# Altium PCB nixi_tube.PcbDoc (part 3 of 3)
Units mm, origin at the board's own origin, x right, y up, seen from the top; angles counter-clockwise.
Board outline 147 x 65 mm, 2 copper layers (Top Layer, Bottom Layer), stack 1.569 mm thick; 87 components, 111 nets, 363 pads, 194 vias.
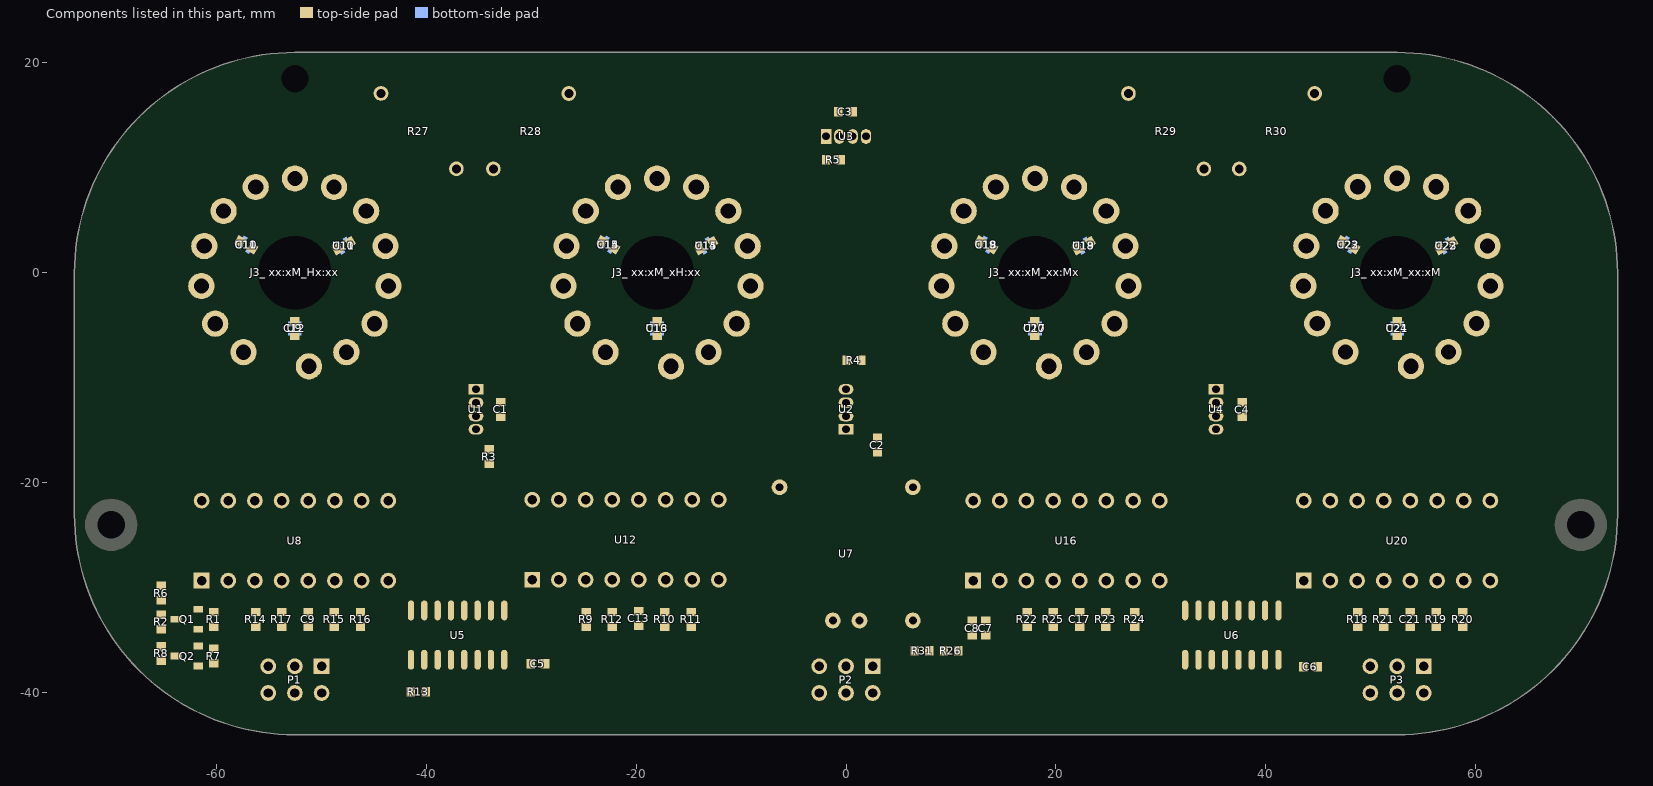
[diagram p3: the components of this part, seen from the top]

## Silkscreen, mask and mechanical layers (free items; w line width, h text height) (continued)
Bottom Solder:
  circle w0.2: c58.648,-35.026 r0.25
  circle w0.2: c58.948,-36.53 r0.25
  circle w0.2: c58.648,-38.028 r0.25
  lines w0.25: 58.948,-38.028 59.648,-38.028 ; 58.948,-35.026 59.648,-35.026 ; 59.248,-36.53 59.948,-36.53 ; 60.348,-36.83 60.348,-36.23 ; 60.748,-36.83 60.748,-36.23 ; 59.648,-38.826 60.987,-38.826 60.987,-37.23 59.648,-37.23 59.648,-38.826 ; 59.648,-35.823 60.987,-35.823 60.987,-34.228 59.648,-34.228 59.648,-35.823 ; 61.848,-38.826 61.848,-34.228 62.048,-34.228 62.048,-38.826 61.848,-38.826
  text "D" at 60.987,-35.823 h0.8
  text "B" at 60.987,-38.826 h0.8
Outline:
  the board outline again, w0.15
Drawing:
  circle w0.15: c35.25,-13.015 r3.102
  circle w0.15: c0,13 r3
  circle w0.15: c0,-13 r3
  circle w0.15: c-35.255,-12.993 r3
  circle w0.15: c-52.5,0 r15
  circle w0.15: c-18,0 r15
  circle w0.15: c18,0 r15
  circle w0.15: c52.5,0 r15
  lines w0.1: -35.255,-16.602 -35.255,-8.825 ; -35.255,-12.993 -29.904,-12.993 ; -5.352,-13 0,-13 5.352,-13 ; -5.352,13 -5.352,13 0,13 5.352,13 ; 0,-16.609 0,-8.832 ; 0,9.391 0,17.168 ; 29.898,-13.015 35.25,-13.015 40.602,-13.015 ; 35.25,-16.624 35.25,-8.847
  lines w0.15: -84.335,0 0,0 ; -52.5,0 -52.5,26.866 ; -18,0 -18,25.07 ; 18,0 18,25.07 ; 52.5,0 52.5,25.07 ; 84.335,0 0,0 ; 112.236,0 0,0
  text "'.Layer_Name'" at 133.636,-178.378 h5
Assembly Top:
  text "'.Layer_Name'" at 133.636,-178.258 h5
Assembly Bottom:
  text "'.Layer_Name'" at -126.55,-178.666 h5
Note Top:
  text "'.Layer_Name'" at 133.636,-178.258 h5
Note Bottom:
  text "'.Layer_Name'" at -126.55,-178.499 h5
PCB_Note:
  drawing of 144 lines, arcs and shapes, not listed
  text "REV:" at 152.25,96.25 h0.8
  text "DWG. NO." at 127.689,96.171 h0.8
  text "1" at -189.713,95.787 h1.2
  text "2" at -162.713,95.787 h1.2
  text "3" at -137.713,95.787 h1.2
  text "4" at -112.713,95.787 h1.2
  text "5" at -87.713,95.787 h1.2
  text "6" at -62.713,95.787 h1.2
  text "7" at -37.713,95.787 h1.2
  text "8" at -10.713,95.787 h1.2
  text "9" at 18.287,95.787 h1.2
  text "10" at 43.287,95.787 h1.2
  text "11" at 68.287,95.787 h1.2
  text "13" at 118.287,95.787 h1.2
  text "15" at 168.287,95.787 h1.2
  text "16" at 198.287,95.787 h1.2
  text ".prj_pcb" at 152.5,94.75 h1.27
  text ".PCB_DWG_NO" at 131,94.5 h1.27
  text "T" at -200.695,92.161 h1.5
  text "H" at -199.594,92.161 h1.5
  text "I" at -198.324,92.161 h1.5
  text "S" at -197.816,92.161 h1.5
  text "D" at -196.164,92.161 h1.5
  text "O" at -194.894,92.161 h1.5
  text "C" at -193.497,92.161 h1.5
  text "U" at -192.226,92.161 h1.5
  text "M" at -190.956,92.161 h1.5
  text "E" at -189.474,92.161 h1.5
  text "N" at -188.288,92.161 h1.5
  text "T" at -187.061,92.161 h1.5
  text "A" at -185.451,92.161 h1.5
  text "N" at -184.266,92.161 h1.5
  text "D" at -182.996,92.161 h1.5
  text "T" at -181.259,92.161 h1.5
  text "H" at -180.158,92.161 h1.5
  text "E" at -178.888,92.161 h1.5
  text "D" at -177.237,92.161 h1.5
  text "A" at -175.966,92.161 h1.5
  text "T" at -174.781,92.161 h1.5
  text "A" at -173.722,92.161 h1.5
  text "D" at -172.028,92.161 h1.5
  text "I" at -170.758,92.161 h1.5
  text "S" at -170.292,92.161 h1.5
  text "C" at -169.107,92.161 h1.5
  text "L" at -167.836,92.161 h1.5
  text "O" at -166.863,92.161 h1.5
  text "S" at -165.465,92.161 h1.5
  text "E" at -164.28,92.161 h1.5
  text "D" at -163.094,92.161 h1.5
  text "H" at -161.358,92.161 h1.5
  text "E" at -160.088,92.161 h1.5
  text "R" at -158.902,92.161 h1.5
  text "E" at -157.674,92.161 h1.5
  text "I" at -156.488,92.161 h1.5
  text "N" at -155.98,92.161 h1.5
  text "O" at -154.244,92.161 h1.5
  text "R" at -152.847,92.161 h1.5
  text "REVISIONS" at 152.187,91.333 h1.5
  text "H" at -200.695,90.129 h1.5
  text "E" at -199.425,90.129 h1.5
  text "R" at -198.239,90.129 h1.5
  text "E" at -196.969,90.129 h1.5
  text "W" at -195.826,90.129 h1.5
  text "I" at -194.09,90.129 h1.5
  text "T" at -193.624,90.129 h1.5
  text "H" at -192.523,90.129 h1.5
  text "I" at -190.787,90.129 h1.5
  text "S" at -190.279,90.129 h1.5
  text "T" at -188.627,90.129 h1.5
  text "H" at -187.526,90.129 h1.5
  text "E" at -186.256,90.129 h1.5
  text "P" at -184.605,90.129 h1.5
  text "R" at -183.419,90.129 h1.5
  text "O" at -182.149,90.129 h1.5
  text "P" at -180.776,90.129 h1.5
  text "E" at -179.59,90.129 h1.5
  text "R" at -178.405,90.129 h1.5
  text "T" at -177.177,90.129 h1.5
  text "Y" at -176.076,90.129 h1.5
  text "O" at -174.424,90.129 h1.5
  text "F" at -173.069,90.129 h1.5
  text "A" at -171.46,90.129 h1.5
  text "L" at -170.275,90.129 h1.5
  text "T" at -169.343,90.129 h1.5
  text "I" at -168.242,90.129 h1.5
  text "U" at -167.734,90.129 h1.5
  text "M" at -166.464,90.129 h1.5
  text "L" at -164.516,90.129 h1.5
  text "I" at -163.542,90.129 h1.5
  text "M" at -163.034,90.129 h1.5
  text "I" at -161.594,90.129 h1.5
  text "T" at -161.086,90.129 h1.5
  text "E" at -159.985,90.129 h1.5
  text "D" at -158.799,90.129 h1.5
  text "A" at -157.063,90.129 h1.5
  text "N" at -155.878,90.129 h1.5
  text "D" at -154.607,90.129 h1.5
  text "M" at -152.829,90.129 h1.5
  text "A" at -151.347,90.129 h1.5
  text "Y" at -150.204,90.129 h1.5
  text "ZONE" at 111.928,88.158 h1.5
  text "REV" at 120.31,88.158 h1.5
  text "DATE" at 181.778,88.158 h1.5
  text "B" at -200.695,88.096 h1.5
  text "E" at -199.51,88.096 h1.5
  text "F" at -197.816,88.096 h1.5
  text "R" at -196.715,88.096 h1.5
  text "E" at -195.445,88.096 h1.5
  text "E" at -194.301,88.096 h1.5
  text "L" at -193.116,88.096 h1.5
  text "Y" at -192.142,88.096 h1.5
  text "D" at -190.448,88.096 h1.5
  text "I" at -189.178,88.096 h1.5
  text "S" at -188.712,88.096 h1.5
  text "T" at -187.526,88.096 h1.5
  text "R" at -186.443,88.096 h1.5
  text "I" at -185.215,88.096 h1.5
  text "B" at -184.707,88.096 h1.5
  text "U" at -183.521,88.096 h1.5
  text "T" at -182.251,88.096 h1.5
  text "E" at -181.15,88.096 h1.5
  text "D" at -179.964,88.096 h1.5
  text "I" at -178.228,88.096 h1.5
  text "N" at -177.72,88.096 h1.5
  text "W" at -176.026,88.096 h1.5
  text "H" at -174.29,88.096 h1.5
  text "O" at -173.062,88.096 h1.5
  text "L" at -171.665,88.096 h1.5
  text "E" at -170.691,88.096 h1.5
  text "." at -169.505,88.096 h1.5
  text "N" at -168.531,88.096 h1.5
  text "O" at -167.261,88.096 h1.5
  text "R" at -165.356,88.096 h1.5
  text "I" at -164.128,88.096 h1.5
  text "G" at -163.62,88.096 h1.5
  text "H" at -162.222,88.096 h1.5
  text "T" at -160.994,88.096 h1.5
  text "S" at -159.893,88.096 h1.5
  text "A" at -158.242,88.096 h1.5
  text "R" at -157.056,88.096 h1.5
  text "E" at -155.786,88.096 h1.5
  text "DESCRIPTION" at 146.091,88.031 h1.5
  text "APPROVED" at 194.605,88.031 h1.5
  text "R" at -200.695,86.064 h1.5
  text "E" at -199.425,86.064 h1.5
  text "S" at -198.239,86.064 h1.5
  text "E" at -197.054,86.064 h1.5
  text "R" at -195.868,86.064 h1.5
  text "V" at -194.598,86.064 h1.5
  text "E" at -193.412,86.064 h1.5
  text "D" at -192.226,86.064 h1.5
  text "O" at -190.49,86.064 h1.5
  text "R" at -189.093,86.064 h1.5
  text "E" at -187.315,86.064 h1.5
  text "X" at -186.129,86.064 h1.5
  text "P" at -184.986,86.064 h1.5
  text "R" at -183.8,86.064 h1.5
  text "E" at -182.53,86.064 h1.5
  text "S" at -181.344,86.064 h1.5
  text "S" at -180.158,86.064 h1.5
  text "O" at -178.507,86.064 h1.5
  text "R" at -177.11,86.064 h1.5
  text "I" at -175.374,86.064 h1.5
  text "M" at -174.866,86.064 h1.5
  text "P" at -173.383,86.064 h1.5
  text "L" at -172.198,86.064 h1.5
  text "I" at -171.266,86.064 h1.5
  text "E" at -170.758,86.064 h1.5
  text "D" at -169.573,86.064 h1.5
  text "W" at -167.879,86.064 h1.5
  text "A" at -166.143,86.064 h1.5
  text "R" at -164.957,86.064 h1.5
  text "A" at -163.687,86.064 h1.5
  text "N" at -162.501,86.064 h1.5
  text "T" at -161.273,86.064 h1.5
  text "E" at -160.172,86.064 h1.5
  text "E" at -158.987,86.064 h1.5
  text "G" at -157.431,86.064 h1.5
  text "I" at -156.033,86.064 h1.5
  text "V" at -155.525,86.064 h1.5
  text "E" at -154.34,86.064 h1.5
  text "N" at -153.154,86.064 h1.5
  text "." at -151.926,86.064 h1.5
  text "A" at 121.072,84.729 h1.5
  text "ORIGINAL" at 147.996,84.729 h1.5
  text "A" at -202.713,74.787 h1.2
  text "A" at 209.287,74.787 h1.2
  text "PCB Build Notes:" at -181,69.3 h3
  text "1. Layers: '.pcb_layer_count' / 2. Base Material: '.pcb_material' / 3. Plating Finish: '.pcb_finish' / 4. Silkscreen Color: .'.pcb_silkscreen_color' / 5. Solder Color: '.pcb_solder_color'" at -179,46 h2.5
  text "B" at -202.713,41.787 h1.2
  text "B" at 209.287,41.787 h1.2
  text "Other Notes:" at -181,38.3 h3
  text "A  Differential Pair 90ohm +/- 10%" at -177.589,33.158 h2.5
  text "B  Single Ended 50ohm +/- 10%" at -177.589,28.842 h2.5
  text "C  Differential Pair 100ohm +/- 10%" at -177.589,24.051 h2.5
  text "C" at -202.713,5.912 h1.2
  text "C" at 209.287,5.912 h1.2
  text "D" at -202.713,-29.963 h1.2
  text "D" at 209.287,-29.963 h1.2
  text "E" at -202.713,-65.838 h1.2
  text "E" at 209.287,-65.838 h1.2
  text "F" at -202.713,-101.713 h1.2
  text "F" at 209.287,-101.713 h1.2
  text "PROJECT" at 98.44,-137.122 h1.2
  text "DATE" at 120.284,-137.122 h1.2
  text ".pcb_organization" at 176.647,-137.196 h1.2
  text "G" at -202.713,-137.588 h1.2
  text "G" at 209.287,-137.588 h1.2
  text "BOARD:" at 90.312,-139.154 h1.2
  text ".pcb_address1" at 176.647,-139.482 h1.2
  text ".prj_name" at 92.69,-141.186 h1.25
  text ".prj_date" at 116.982,-141.186 h1
  text ".pcb_address2" at 176.647,-141.768 h1.2
  text "'.pcb_address3' - '.pcb_address4'" at 176.647,-144.054 h1.2
  text "STATUS:" at 90.312,-144.234 h1.2
  text "-  '.prj_status' -" at 92.74,-146.664 h1.5
  text "TITLE:" at 128.768,-147.049 h1.2
  text "VARIANT:" at 90.312,-149.314 h1.2
  text ".prj_name_long" at 133.086,-151.343 h2.54
  text ".VariantName" at 92.69,-151.914 h1.25
  text "PART NO." at 55.87,-152.106 h1.2
  text ".prj_part_number" at 63.871,-152.106 h1.2
  text "DWG. NO." at 209.171,-152.814 h0.8 r270
  text "UNLESS OTHERWISE SPECIFIED DIMENSIONS" at 56.378,-154.773 h1.2
  text "APPROVALS" at 98.44,-154.826 h1.2
  text "DATE" at 120.284,-154.826 h1.2
  text ".pcb_title1" at 133.086,-156.032 h2.54
  text ".PCB_DWG_NO" at 207.5,-156.125 h1.27 r270
  text "AND TOLERANCE ARE IN INCHES AND" at 57.775,-156.678 h1.2
  text "DESIGNER:" at 90.312,-156.858 h1.2
  text "APPLY TO THE FINISHED PART" at 60.569,-158.456 h1.2
  text ".PCB_DESIGNER" at 92.69,-158.89 h1.25
  text ".PCB_DESIGNER_APP_DATE" at 116.982,-158.89 h1
  text ".pcb_title2" at 133.086,-160.532 h2.54
  text "TOLERANCE ON:" at 66.665,-161.631 h1.2
  text "ENGINEER:" at 90.312,-161.938 h1.2
  text ".PCB_ENGINEER_APP_DATE" at 116.982,-163.716 h1
  text "2 DEC. PLACE" at 56.378,-163.917 h1
  text "3 DEC. PLACE" at 67.935,-163.917 h1
  text "ANGLES" at 81.524,-163.917 h1
  text ".PCB_ENGINEER" at 92.69,-163.97 h1.25
  text "LICENSE:" at 128.768,-164.425 h1.2
  text "CHECKER:" at 90.312,-167.018 h1.2
  text ".PCB_2_DEC_TOL" at 57.775,-167.854 h1.5
  text ".PCB_3_DEC_TOL" at 68.824,-167.854 h1.5
  text ".PCB_ANG_TOL" at 80.635,-167.854 h1.5
  text ".prj_license" at 133.336,-167.922 h2.54
  text ".PCB_CHECKER_APP_DATE" at 116.932,-168.898 h1
  text ".PCB_CHECKER" at 92.69,-169.05 h1.25
  text "THIRD ANGLE PROJECTION" at 36.744,-169.38 h1
  text "MATERIAL:" at 56.378,-171.489 h1.2
  text "LAYER:" at 128.768,-172.502 h1.2
  text "REFERENCE DOCUMENTS" at 99.964,-172.606 h1.2
  text "H" at -202.713,-173.463 h1.2
  text "BOM:" at 90.312,-175.146 h1.2
  text "SEE NOTES" at 65.674,-176.543 h1.5
  text "REV:" at 209.25,-177.375 h0.8 r270
  text ".DOC_NO_BOM" at 98.44,-177.432 h1.5
  text ".prj_pcb" at 207.75,-177.625 h1.27 r270
  text "ASSY DWG:" at 90.312,-179.972 h1.2
  text ".DOC_NO_ASSY_DWG" at 98.44,-182.258 h1.5
  text "SIZE:" at 130.292,-183.094 h1.2
  text "CAGE CODE:" at 136.515,-183.094 h1.2
  text "DWG NO:" at 161.915,-183.094 h1.2
  text "REV:" at 201.539,-183.094 h1.2
  text "FAB DWG:" at 90.312,-184.798 h1.2
  text ".PCB_DWG_NO" at 167.25,-186.75 h2.54
  text ".prj_pcb" at 202.301,-186.777 h2.54
  text ".DOC_NO_FAB_DWG" at 98.44,-186.957 h1.5
  text "A3" at 130.14,-187.02 h2.54
  text ".CAGE_CODE" at 140.833,-187.031 h2.54
  text "SCHEMATIC:" at 90.312,-189.624 h1.2
  text "PRINT DATE:" at 56.175,-189.65 h1.2
  text "SCALE:" at 128.768,-191.095 h1.2
  text "FILE NAME:" at 144.135,-191.097 h1.2
  text "SHEET:" at 188.331,-191.097 h1.2
  text ".DOC_NO_SCH_DWG" at 98.44,-191.91 h1.5
  text "'.Print_Date', '.Print_Time'" at 58.75,-192 h1.5
  text ".PCB_FILE_NAME_NO_PATH" at 152.847,-192.24 h1.5
  text ".PCB_SCALE" at 135.626,-192.365 h1.5
  text "OF" at 199.761,-192.367 h1.2
  text "DOC-104 REV A" at -201,-194.069 h0.55
  text "1" at -189.713,-195.213 h1.2
  text "2" at -162.713,-195.213 h1.2
  text "3" at -137.713,-195.213 h1.2
  text "4" at -112.713,-195.213 h1.2
  text "5" at -87.713,-195.213 h1.2
  text "6" at -62.713,-195.213 h1.2
  text "7" at -37.713,-195.213 h1.2
  text "8" at -10.713,-195.213 h1.2
  text "9" at 18.287,-195.213 h1.2
  text "10" at 43.287,-195.213 h1.2
  text "11" at 68.287,-195.213 h1.2
  text "12" at 93.287,-195.213 h1.2
  text "13" at 118.287,-195.213 h1.2
  text "14" at 143.287,-195.213 h1.2
  text "15" at 168.287,-195.213 h1.2
  text "16" at 198.287,-195.213 h1.2
Top TitleBlock:
  drawing of 136 lines, arcs and shapes, not listed
  text "REV:" at 152.25,96.272 h0.8
  text "DWG. NO." at 127.689,96.193 h0.8
  text "1" at -189.713,95.809 h1.2
  text "2" at -162.713,95.809 h1.2
  text "3" at -137.713,95.809 h1.2
  text "4" at -112.713,95.809 h1.2
  text "5" at -87.713,95.809 h1.2
  text "6" at -62.713,95.809 h1.2
  text "7" at -37.713,95.809 h1.2
  text "8" at -10.713,95.809 h1.2
  text "9" at 18.287,95.809 h1.2
  text "10" at 43.287,95.809 h1.2
  text "11" at 68.287,95.809 h1.2
  text "13" at 118.287,95.809 h1.2
  text "15" at 168.287,95.809 h1.2
  text "16" at 198.287,95.809 h1.2
  text ".prj_pcb" at 152.5,94.772 h1.27
  text ".PCB_DWG_NO" at 131,94.522 h1.27
  text "T" at -200.695,92.183 h1.5
  text "H" at -199.594,92.183 h1.5
  text "I" at -198.324,92.183 h1.5
  text "S" at -197.816,92.183 h1.5
  text "D" at -196.164,92.183 h1.5
  text "O" at -194.894,92.183 h1.5
  text "C" at -193.497,92.183 h1.5
  text "U" at -192.226,92.183 h1.5
  text "M" at -190.956,92.183 h1.5
  text "E" at -189.474,92.183 h1.5
  text "N" at -188.288,92.183 h1.5
  text "T" at -187.061,92.183 h1.5
  text "A" at -185.451,92.183 h1.5
  text "N" at -184.266,92.183 h1.5
  text "D" at -182.996,92.183 h1.5
  text "T" at -181.259,92.183 h1.5
  text "H" at -180.158,92.183 h1.5
  text "E" at -178.888,92.183 h1.5
  text "D" at -177.237,92.183 h1.5
  text "A" at -175.966,92.183 h1.5
  text "T" at -174.781,92.183 h1.5
  text "A" at -173.722,92.183 h1.5
  text "D" at -172.028,92.183 h1.5
  text "I" at -170.758,92.183 h1.5
  text "S" at -170.292,92.183 h1.5
  text "C" at -169.107,92.183 h1.5
  text "L" at -167.836,92.183 h1.5
  text "O" at -166.863,92.183 h1.5
  text "S" at -165.465,92.183 h1.5
  text "E" at -164.28,92.183 h1.5
  text "D" at -163.094,92.183 h1.5
  text "H" at -161.358,92.183 h1.5
  text "E" at -160.088,92.183 h1.5
  text "R" at -158.902,92.183 h1.5
  text "E" at -157.674,92.183 h1.5
  text "I" at -156.488,92.183 h1.5
  text "N" at -155.98,92.183 h1.5
  text "O" at -154.244,92.183 h1.5
  text "R" at -152.847,92.183 h1.5
  text "REVISIONS" at 152.187,91.355 h1.5
  text "H" at -200.695,90.15 h1.5
  text "E" at -199.425,90.15 h1.5
  text "R" at -198.239,90.15 h1.5
  text "E" at -196.969,90.15 h1.5
  text "W" at -195.826,90.15 h1.5
  text "I" at -194.09,90.15 h1.5
  text "T" at -193.624,90.15 h1.5
  text "H" at -192.523,90.15 h1.5
  text "I" at -190.787,90.15 h1.5
  text "S" at -190.279,90.15 h1.5
  text "T" at -188.627,90.15 h1.5
  text "H" at -187.526,90.15 h1.5
  text "E" at -186.256,90.15 h1.5
  text "P" at -184.605,90.15 h1.5
  text "R" at -183.419,90.15 h1.5
  text "O" at -182.149,90.15 h1.5
  text "P" at -180.776,90.15 h1.5
  text "E" at -179.59,90.15 h1.5
  text "R" at -178.405,90.15 h1.5
  text "T" at -177.177,90.15 h1.5
  text "Y" at -176.076,90.15 h1.5
  text "O" at -174.424,90.15 h1.5
  text "F" at -173.069,90.15 h1.5
  text "A" at -171.46,90.15 h1.5
  text "L" at -170.275,90.15 h1.5
  text "T" at -169.343,90.15 h1.5
  text "I" at -168.242,90.15 h1.5
  text "U" at -167.734,90.15 h1.5
  text "M" at -166.464,90.15 h1.5
  text "L" at -164.516,90.15 h1.5
  text "I" at -163.542,90.15 h1.5
  text "M" at -163.034,90.15 h1.5
  text "I" at -161.594,90.15 h1.5
  text "T" at -161.086,90.15 h1.5
  text "E" at -159.985,90.15 h1.5
  text "D" at -158.799,90.15 h1.5
  text "A" at -157.063,90.15 h1.5
  text "N" at -155.878,90.15 h1.5
  text "D" at -154.607,90.15 h1.5
  text "M" at -152.829,90.15 h1.5
  text "A" at -151.347,90.15 h1.5
  text "Y" at -150.204,90.15 h1.5
  text "ZONE" at 111.928,88.18 h1.5
  text "REV" at 120.31,88.18 h1.5
  text "DATE" at 181.778,88.18 h1.5
  text "B" at -200.695,88.118 h1.5
  text "E" at -199.51,88.118 h1.5
  text "F" at -197.816,88.118 h1.5
  text "R" at -196.715,88.118 h1.5
  text "E" at -195.445,88.118 h1.5
  text "E" at -194.301,88.118 h1.5
  text "L" at -193.116,88.118 h1.5
  text "Y" at -192.142,88.118 h1.5
  text "D" at -190.448,88.118 h1.5
  text "I" at -189.178,88.118 h1.5
  text "S" at -188.712,88.118 h1.5
  text "T" at -187.526,88.118 h1.5
  text "R" at -186.443,88.118 h1.5
  text "I" at -185.215,88.118 h1.5
  text "B" at -184.707,88.118 h1.5
  text "U" at -183.521,88.118 h1.5
  text "T" at -182.251,88.118 h1.5
  text "E" at -181.15,88.118 h1.5
  text "D" at -179.964,88.118 h1.5
  text "I" at -178.228,88.118 h1.5
  text "N" at -177.72,88.118 h1.5
  text "W" at -176.026,88.118 h1.5
  text "H" at -174.29,88.118 h1.5
  text "O" at -173.062,88.118 h1.5
  text "L" at -171.665,88.118 h1.5
  text "E" at -170.691,88.118 h1.5
  text "." at -169.505,88.118 h1.5
  text "N" at -168.531,88.118 h1.5
  text "O" at -167.261,88.118 h1.5
  text "R" at -165.356,88.118 h1.5
  text "I" at -164.128,88.118 h1.5
  text "G" at -163.62,88.118 h1.5
  text "H" at -162.222,88.118 h1.5
  text "T" at -160.994,88.118 h1.5
  text "S" at -159.893,88.118 h1.5
  text "A" at -158.242,88.118 h1.5
  text "R" at -157.056,88.118 h1.5
  text "E" at -155.786,88.118 h1.5
  text "DESCRIPTION" at 146.091,88.053 h1.5
  text "APPROVED" at 194.605,88.053 h1.5
  text "R" at -200.695,86.085 h1.5
  text "E" at -199.425,86.085 h1.5
  text "S" at -198.239,86.085 h1.5
  text "E" at -197.054,86.085 h1.5
  text "R" at -195.868,86.085 h1.5
  text "V" at -194.598,86.085 h1.5
  text "E" at -193.412,86.085 h1.5
  text "D" at -192.226,86.085 h1.5
  text "O" at -190.49,86.085 h1.5
  text "R" at -189.093,86.085 h1.5
  text "E" at -187.315,86.085 h1.5
  text "X" at -186.129,86.085 h1.5
  text "P" at -184.986,86.085 h1.5
  text "R" at -183.8,86.085 h1.5
  text "E" at -182.53,86.085 h1.5
  text "S" at -181.344,86.085 h1.5
  text "S" at -180.158,86.085 h1.5
  text "O" at -178.507,86.085 h1.5
  text "R" at -177.11,86.085 h1.5
  text "I" at -175.374,86.085 h1.5
  text "M" at -174.866,86.085 h1.5
  text "P" at -173.383,86.085 h1.5
  text "L" at -172.198,86.085 h1.5
  text "I" at -171.266,86.085 h1.5
  text "E" at -170.758,86.085 h1.5
  text "D" at -169.573,86.085 h1.5
  text "W" at -167.879,86.085 h1.5
  text "A" at -166.143,86.085 h1.5
  text "R" at -164.957,86.085 h1.5
  text "A" at -163.687,86.085 h1.5
  text "N" at -162.501,86.085 h1.5
  text "T" at -161.273,86.085 h1.5
  text "E" at -160.172,86.085 h1.5
  text "E" at -158.987,86.085 h1.5
  text "G" at -157.431,86.085 h1.5
  text "I" at -156.033,86.085 h1.5
  text "V" at -155.525,86.085 h1.5
  text "E" at -154.34,86.085 h1.5
  text "N" at -153.154,86.085 h1.5
  text "." at -151.926,86.085 h1.5
  text "A" at 121.072,84.751 h1.5
  text "ORIGINAL" at 147.996,84.751 h1.5
  text "A" at -202.713,74.809 h1.2
  text "A" at 209.287,74.809 h1.2
  text "B" at -202.713,41.809 h1.2
  text "B" at 209.287,41.809 h1.2
  text "C" at -202.713,5.934 h1.2
  text "C" at 209.287,5.934 h1.2
  text "D" at -202.713,-29.941 h1.2
  text "D" at 209.287,-29.941 h1.2
  text "E" at -202.713,-65.816 h1.2
  text "E" at 209.287,-65.816 h1.2
  text "F" at -202.713,-101.691 h1.2
  text "F" at 209.287,-101.691 h1.2
  text "PROJECT" at 98.44,-137.101 h1.2
  text "DATE" at 120.284,-137.101 h1.2
  text ".pcb_organization" at 176.647,-137.175 h1.2
  text "G" at -202.713,-137.566 h1.2
  text "G" at 209.287,-137.566 h1.2
  text "BOARD:" at 90.312,-139.133 h1.2
  text ".pcb_address1" at 176.647,-139.461 h1.2
  text ".prj_name" at 92.69,-141.165 h1.25
  text ".prj_date" at 116.982,-141.165 h1
  text ".pcb_address2" at 176.647,-141.747 h1.2
  text "'.pcb_address3' - '.pcb_address4'" at 176.647,-144.033 h1.2
  text "STATUS:" at 90.312,-144.213 h1.2
  text "-  '.prj_status' -" at 92.74,-146.643 h1.5
  text "TITLE:" at 128.768,-147.028 h1.2
  text "VARIANT:" at 90.312,-149.293 h1.2
  text ".prj_name_long" at 133.086,-151.321 h2.54
  text ".VariantName" at 92.69,-151.893 h1.25
  text "PART NO." at 55.87,-152.084 h1.2
  text ".prj_part_number" at 63.871,-152.084 h1.2
  text "DWG. NO." at 209.171,-152.793 h0.8 r270
  text "UNLESS OTHERWISE SPECIFIED DIMENSIONS" at 56.378,-154.751 h1.2
  text "APPROVALS" at 98.44,-154.805 h1.2
  text "DATE" at 120.284,-154.805 h1.2
  text ".pcb_title1" at 133.086,-156.011 h2.54
  text ".PCB_DWG_NO" at 207.5,-156.103 h1.27 r270
  text "AND TOLERANCE ARE IN INCHES AND" at 57.775,-156.656 h1.2
  text "DESIGNER:" at 90.312,-156.837 h1.2
  text "APPLY TO THE FINISHED PART" at 60.569,-158.434 h1.2
  text ".PCB_DESIGNER" at 92.69,-158.869 h1.25
  text ".PCB_DESIGNER_APP_DATE" at 116.982,-158.869 h1
  text ".pcb_title2" at 133.086,-160.511 h2.54
  text "TOLERANCE ON:" at 66.665,-161.609 h1.2
  text "ENGINEER:" at 90.312,-161.917 h1.2
  text ".PCB_ENGINEER_APP_DATE" at 116.982,-163.695 h1
  text "2 DEC. PLACE" at 56.378,-163.895 h1
  text "3 DEC. PLACE" at 67.935,-163.895 h1
  text "ANGLES" at 81.524,-163.895 h1
  text ".PCB_ENGINEER" at 92.69,-163.949 h1.25
  text "LICENSE:" at 128.768,-164.403 h1.2
  text "CHECKER:" at 90.312,-166.997 h1.2
  text ".PCB_2_DEC_TOL" at 57.775,-167.832 h1.5
  text ".PCB_3_DEC_TOL" at 68.824,-167.832 h1.5
  text ".PCB_ANG_TOL" at 80.635,-167.832 h1.5
  text ".prj_license" at 133.336,-167.9 h2.54
  text ".PCB_CHECKER_APP_DATE" at 116.932,-168.876 h1
  text ".PCB_CHECKER" at 92.69,-169.029 h1.25
  text "THIRD ANGLE PROJECTION" at 36.744,-169.359 h1
  text "MATERIAL:" at 56.378,-171.467 h1.2
  text "LAYER:" at 128.768,-172.481 h1.2
  text "REFERENCE DOCUMENTS" at 99.964,-172.585 h1.2
  text "H" at -202.713,-173.441 h1.2
  text "BOM:" at 90.312,-175.125 h1.2
  text "SEE NOTES" at 65.674,-176.522 h1.5
  text "REV:" at 209.25,-177.353 h0.8 r270
  text ".DOC_NO_BOM" at 98.44,-177.411 h1.5
  text ".prj_pcb" at 207.75,-177.603 h1.27 r270
  text "ASSY DWG:" at 90.312,-179.951 h1.2
  text ".DOC_NO_ASSY_DWG" at 98.44,-182.237 h1.5
  text "SIZE:" at 130.292,-183.072 h1.2
  text "CAGE CODE:" at 136.515,-183.072 h1.2
  text "DWG NO:" at 161.915,-183.072 h1.2
  text "REV:" at 201.539,-183.072 h1.2
  text "FAB DWG:" at 90.312,-184.777 h1.2
  text ".PCB_DWG_NO" at 167.25,-186.728 h2.54
  text ".prj_pcb" at 202.301,-186.755 h2.54
  text ".DOC_NO_FAB_DWG" at 98.44,-186.936 h1.5
  text "A3" at 130.14,-186.998 h2.54
  text ".CAGE_CODE" at 140.833,-187.009 h2.54
  text "SCHEMATIC:" at 90.312,-189.603 h1.2
  text "PRINT DATE:" at 56.175,-189.628 h1.2
  text "SCALE:" at 128.768,-191.073 h1.2
  text "FILE NAME:" at 144.135,-191.076 h1.2
  text "SHEET:" at 188.331,-191.076 h1.2
  text ".DOC_NO_SCH_DWG" at 98.44,-191.889 h1.5
  text "'.Print_Date', '.Print_Time'" at 58.75,-191.978 h1.5
  text ".PCB_FILE_NAME_NO_PATH" at 152.847,-192.219 h1.5
  text ".PCB_SCALE" at 135.626,-192.343 h1.5
  text "OF" at 199.761,-192.346 h1.2
  text "DOC-104 REV A" at -201,-194.048 h0.55
  text "1" at -189.713,-195.191 h1.2
  text "2" at -162.713,-195.191 h1.2
  text "3" at -137.713,-195.191 h1.2
  text "4" at -112.713,-195.191 h1.2
  text "5" at -87.713,-195.191 h1.2
  text "6" at -62.713,-195.191 h1.2
  text "7" at -37.713,-195.191 h1.2
  text "8" at -10.713,-195.191 h1.2
  text "9" at 18.287,-195.191 h1.2
  text "10" at 43.287,-195.191 h1.2
  text "11" at 68.287,-195.191 h1.2
  text "12" at 93.287,-195.191 h1.2
  text "13" at 118.287,-195.191 h1.2
  text "14" at 143.287,-195.191 h1.2
  text "15" at 168.287,-195.191 h1.2
  text "16" at 198.287,-195.191 h1.2
Bottom TitleBlock:
  drawing of 136 lines, arcs and shapes, not listed
  text "REV:" at -146.25,96.278 h0.8
  text "DWG. NO." at -121.689,96.199 h0.8
  text "16" at -192.287,95.815 h1.2
  text "15" at -162.287,95.815 h1.2
  text "13" at -112.287,95.815 h1.2
  text "12" at -87.287,95.815 h1.2
  text "11" at -62.287,95.815 h1.2
  text "10" at -37.287,95.815 h1.2
  text "9" at -12.287,95.815 h1.2
  text "8" at 16.713,95.815 h1.2
  text "7" at 43.713,95.815 h1.2
  text "6" at 68.713,95.815 h1.2
  text "4" at 118.713,95.815 h1.2
  text "3" at 143.713,95.815 h1.2
  text "2" at 168.713,95.815 h1.2
  text "1" at 195.713,95.815 h1.2
  text ".prj_pcb" at -146.5,94.778 h1.27
  text ".PCB_DWG_NO" at -125,94.528 h1.27
  text "R" at 158.847,92.19 h1.5
  text "O" at 160.244,92.19 h1.5
  text "N" at 161.98,92.19 h1.5
  text "I" at 162.488,92.19 h1.5
  text "E" at 163.674,92.19 h1.5
  text "R" at 164.902,92.19 h1.5
  text "E" at 166.088,92.19 h1.5
  text "H" at 167.358,92.19 h1.5
  text "D" at 169.094,92.19 h1.5
  text "E" at 170.28,92.19 h1.5
  text "S" at 171.465,92.19 h1.5
  text "O" at 172.863,92.19 h1.5
  text "L" at 173.836,92.19 h1.5
  text "C" at 175.107,92.19 h1.5
  text "S" at 176.292,92.19 h1.5
  text "I" at 176.758,92.19 h1.5
  text "D" at 178.028,92.19 h1.5
  text "A" at 179.722,92.19 h1.5
  text "T" at 180.781,92.19 h1.5
  text "A" at 181.966,92.19 h1.5
  text "D" at 183.237,92.19 h1.5
  text "E" at 184.888,92.19 h1.5
  text "H" at 186.158,92.19 h1.5
  text "T" at 187.259,92.19 h1.5
  text "D" at 188.996,92.19 h1.5
  text "N" at 190.266,92.19 h1.5
  text "A" at 191.451,92.19 h1.5
  text "T" at 193.061,92.19 h1.5
  text "N" at 194.288,92.19 h1.5
  text "E" at 195.474,92.19 h1.5
  text "M" at 196.956,92.19 h1.5
  text "U" at 198.226,92.19 h1.5
  text "C" at 199.497,92.19 h1.5
  text "O" at 200.894,92.19 h1.5
  text "D" at 202.164,92.19 h1.5
  text "S" at 203.816,92.19 h1.5
  text "I" at 204.324,92.19 h1.5
  text "H" at 205.594,92.19 h1.5
  text "T" at 206.695,92.19 h1.5
  text "REVISIONS" at -146.187,91.361 h1.5
  text "Y" at 156.204,90.157 h1.5
  text "A" at 157.347,90.157 h1.5
  text "M" at 158.829,90.157 h1.5
  text "D" at 160.607,90.157 h1.5
  text "N" at 161.878,90.157 h1.5
  text "A" at 163.063,90.157 h1.5
  text "D" at 164.799,90.157 h1.5
  text "E" at 165.985,90.157 h1.5
  text "T" at 167.086,90.157 h1.5
  text "I" at 167.594,90.157 h1.5
  text "M" at 169.034,90.157 h1.5
  text "I" at 169.542,90.157 h1.5
  text "L" at 170.516,90.157 h1.5
  text "M" at 172.464,90.157 h1.5
  text "U" at 173.734,90.157 h1.5
  text "I" at 174.242,90.157 h1.5
  text "T" at 175.343,90.157 h1.5
  text "L" at 176.275,90.157 h1.5
  text "A" at 177.46,90.157 h1.5
  text "F" at 179.069,90.157 h1.5
  text "O" at 180.424,90.157 h1.5
  text "Y" at 182.076,90.157 h1.5
  text "T" at 183.177,90.157 h1.5
  text "R" at 184.405,90.157 h1.5
  text "E" at 185.59,90.157 h1.5
  text "P" at 186.776,90.157 h1.5
  text "O" at 188.149,90.157 h1.5
  text "R" at 189.419,90.157 h1.5
  text "P" at 190.605,90.157 h1.5
  text "E" at 192.256,90.157 h1.5
  text "H" at 193.526,90.157 h1.5
  text "T" at 194.627,90.157 h1.5
  text "S" at 196.279,90.157 h1.5
  text "I" at 196.787,90.157 h1.5
  text "H" at 198.523,90.157 h1.5
  text "T" at 199.624,90.157 h1.5
  text "I" at 200.09,90.157 h1.5
  text "W" at 201.826,90.157 h1.5
  text "E" at 202.969,90.157 h1.5
  text "R" at 204.239,90.157 h1.5
  text "E" at 205.425,90.157 h1.5
  text "H" at 206.695,90.157 h1.5
  text "DATE" at -175.778,88.186 h1.5
  text "REV" at -114.31,88.186 h1.5
  text "ZONE" at -105.928,88.186 h1.5
  text "E" at 161.786,88.125 h1.5
  text "R" at 163.056,88.125 h1.5
  text "A" at 164.242,88.125 h1.5
  text "S" at 165.893,88.125 h1.5
  text "T" at 166.994,88.125 h1.5
  text "H" at 168.222,88.125 h1.5
  text "G" at 169.62,88.125 h1.5
  text "I" at 170.128,88.125 h1.5
  text "R" at 171.356,88.125 h1.5
  text "O" at 173.261,88.125 h1.5
  text "N" at 174.532,88.125 h1.5
  text "." at 175.505,88.125 h1.5
  text "E" at 176.691,88.125 h1.5
  text "L" at 177.665,88.125 h1.5
  text "O" at 179.062,88.125 h1.5
  text "H" at 180.29,88.125 h1.5
  text "W" at 182.026,88.125 h1.5
  text "N" at 183.72,88.125 h1.5
  text "I" at 184.228,88.125 h1.5
  text "D" at 185.964,88.125 h1.5
  text "E" at 187.15,88.125 h1.5
  text "T" at 188.251,88.125 h1.5
  text "U" at 189.521,88.125 h1.5
  text "B" at 190.707,88.125 h1.5
  text "I" at 191.215,88.125 h1.5
  text "R" at 192.443,88.125 h1.5
  text "T" at 193.526,88.125 h1.5
  text "S" at 194.712,88.125 h1.5
  text "I" at 195.178,88.125 h1.5
  text "D" at 196.448,88.125 h1.5
  text "Y" at 198.142,88.125 h1.5
  text "L" at 199.116,88.125 h1.5
  text "E" at 200.301,88.125 h1.5
  text "E" at 201.445,88.125 h1.5
  text "R" at 202.715,88.125 h1.5
  text "F" at 203.816,88.125 h1.5
  text "E" at 205.51,88.125 h1.5
  text "B" at 206.695,88.125 h1.5
  text "APPROVED" at -188.605,88.059 h1.5
  text "DESCRIPTION" at -140.091,88.059 h1.5
  text "." at 157.926,86.092 h1.5
  text "N" at 159.154,86.092 h1.5
  text "E" at 160.34,86.092 h1.5
  text "V" at 161.525,86.092 h1.5
  text "I" at 162.033,86.092 h1.5
  text "G" at 163.431,86.092 h1.5
  text "E" at 164.987,86.092 h1.5
  text "E" at 166.172,86.092 h1.5
  text "T" at 167.273,86.092 h1.5
  text "N" at 168.501,86.092 h1.5
  text "A" at 169.687,86.092 h1.5
  text "R" at 170.957,86.092 h1.5
  text "A" at 172.143,86.092 h1.5
  text "W" at 173.879,86.092 h1.5
  text "D" at 175.573,86.092 h1.5
  text "E" at 176.758,86.092 h1.5
  text "I" at 177.266,86.092 h1.5
  text "L" at 178.198,86.092 h1.5
  text "P" at 179.383,86.092 h1.5
  text "M" at 180.866,86.092 h1.5
  text "I" at 181.374,86.092 h1.5
  text "R" at 183.11,86.092 h1.5
  text "O" at 184.507,86.092 h1.5
  text "S" at 186.158,86.092 h1.5
  text "S" at 187.344,86.092 h1.5
  text "E" at 188.53,86.092 h1.5
  text "R" at 189.8,86.092 h1.5
  text "P" at 190.986,86.092 h1.5
  text "X" at 192.129,86.092 h1.5
  text "E" at 193.315,86.092 h1.5
  text "R" at 195.093,86.092 h1.5
  text "O" at 196.49,86.092 h1.5
  text "D" at 198.226,86.092 h1.5
  text "E" at 199.412,86.092 h1.5
  text "V" at 200.598,86.092 h1.5
  text "R" at 201.868,86.092 h1.5
  text "E" at 203.054,86.092 h1.5
  text "S" at 204.239,86.092 h1.5
  text "E" at 205.425,86.092 h1.5
  text "R" at 206.695,86.092 h1.5
  text "ORIGINAL" at -141.996,84.757 h1.5
  text "A" at -115.072,84.757 h1.5
  text "A" at -203.287,74.815 h1.2
  text "A" at 208.713,74.815 h1.2
  text "B" at -203.287,41.815 h1.2
  text "B" at 208.713,41.815 h1.2
  text "C" at -203.287,5.94 h1.2
  text "C" at 208.713,5.94 h1.2
  text "D" at -203.287,-29.935 h1.2
  text "D" at 208.713,-29.935 h1.2
  text "E" at -203.287,-65.81 h1.2
  text "E" at 208.713,-65.81 h1.2
  text "F" at -203.287,-101.685 h1.2
  text "F" at 208.713,-101.685 h1.2
  text "DATE" at -114.284,-137.094 h1.2
  text "PROJECT" at -92.44,-137.094 h1.2
  text ".pcb_organization" at -170.647,-137.168 h1.2
  text "G" at -203.287,-137.56 h1.2
  text "G" at 208.713,-137.56 h1.2
  text "BOARD:" at -84.312,-139.126 h1.2
  text ".pcb_address1" at -170.647,-139.454 h1.2
  text ".prj_date" at -110.982,-141.158 h1
  text ".prj_name" at -86.69,-141.158 h1.25
  text ".pcb_address2" at -170.647,-141.74 h1.2
  text "'.pcb_address3' - '.pcb_address4'" at -170.647,-144.026 h1.2
  text "STATUS:" at -84.312,-144.206 h1.2
  text "-  '.prj_status' -" at -86.74,-146.636 h1.5
  text "TITLE:" at -122.768,-147.021 h1.2
  text "VARIANT:" at -84.312,-149.286 h1.2
  text ".prj_name_long" at -127.086,-151.315 h2.54
  text ".VariantName" at -86.69,-151.886 h1.25
  text ".prj_part_number" at -57.871,-152.078 h1.2
  text "PART NO." at -49.87,-152.078 h1.2
  text "DWG. NO." at -203.171,-152.786 h0.8 r90
  text "UNLESS OTHERWISE SPECIFIED DIMENSIONS" at -50.378,-154.745 h1.2
  text "DATE" at -114.284,-154.798 h1.2
  text "APPROVALS" at -92.44,-154.798 h1.2
  text ".pcb_title1" at -127.086,-156.004 h2.54
  text ".PCB_DWG_NO" at -201.5,-156.097 h1.27 r90
  text "AND TOLERANCE ARE IN INCHES AND" at -51.775,-156.65 h1.2
  text "DESIGNER:" at -84.312,-156.83 h1.2
  text "APPLY TO THE FINISHED PART" at -54.569,-158.428 h1.2
  text ".PCB_DESIGNER_APP_DATE" at -110.982,-158.862 h1
  text ".PCB_DESIGNER" at -86.69,-158.862 h1.25
  text ".pcb_title2" at -127.086,-160.504 h2.54
  text "TOLERANCE ON:" at -60.665,-161.603 h1.2
  text "ENGINEER:" at -84.312,-161.91 h1.2
  text ".PCB_ENGINEER_APP_DATE" at -110.982,-163.688 h1
  text "ANGLES" at -75.524,-163.889 h1
  text "3 DEC. PLACE" at -61.935,-163.889 h1
  text "2 DEC. PLACE" at -50.378,-163.889 h1
  text ".PCB_ENGINEER" at -86.69,-163.942 h1.25
  text "LICENSE:" at -122.768,-164.397 h1.2
  text "CHECKER:" at -84.312,-166.99 h1.2
  text ".PCB_ANG_TOL" at -74.635,-167.826 h1.5
  text ".PCB_3_DEC_TOL" at -62.824,-167.826 h1.5
  text ".PCB_2_DEC_TOL" at -51.775,-167.826 h1.5
  text ".prj_license" at -127.336,-167.894 h2.54
  text ".PCB_CHECKER_APP_DATE" at -110.932,-168.87 h1
  text ".PCB_CHECKER" at -86.69,-169.022 h1.25
  text "THIRD ANGLE PROJECTION" at -30.744,-169.352 h1
  text "MATERIAL:" at -50.378,-171.46 h1.2
  text "LAYER:" at -122.768,-172.474 h1.2
  text "REFERENCE DOCUMENTS" at -93.964,-172.578 h1.2
  text "H" at 208.713,-173.435 h1.2
  text "BOM:" at -84.312,-175.118 h1.2
  text "SEE NOTES" at -59.674,-176.515 h1.5
  text "REV:" at -203.25,-177.347 h0.8 r90
  text ".DOC_NO_BOM" at -92.44,-177.404 h1.5
  text ".prj_pcb" at -201.75,-177.597 h1.27 r90
  text "ASSY DWG:" at -84.312,-179.944 h1.2
  text ".DOC_NO_ASSY_DWG" at -92.44,-182.23 h1.5
  text "REV:" at -195.539,-183.066 h1.2
  text "DWG NO:" at -155.915,-183.066 h1.2
  text "CAGE CODE:" at -130.515,-183.066 h1.2
  text "SIZE:" at -124.292,-183.066 h1.2
  text "FAB DWG:" at -84.312,-184.77 h1.2
  text ".PCB_DWG_NO" at -161.25,-186.722 h2.54
  text ".prj_pcb" at -196.301,-186.749 h2.54
  text ".DOC_NO_FAB_DWG" at -92.44,-186.929 h1.5
  text ".CAGE_CODE" at -134.833,-187.003 h2.54
  text "A3" at -124.14,-186.992 h2.54
  text "SCHEMATIC:" at -84.312,-189.596 h1.2
  text "PRINT DATE:" at -50.175,-189.621 h1.2
  text "SHEET:" at -182.331,-191.069 h1.2
  text "FILE NAME:" at -138.135,-191.069 h1.2
  text "SCALE:" at -122.768,-191.067 h1.2
  text ".DOC_NO_SCH_DWG" at -92.44,-191.882 h1.5
  text "'.Print_Date', '.Print_Time'" at -52.75,-191.972 h1.5
  text ".PCB_FILE_NAME_NO_PATH" at -146.847,-192.212 h1.5
  text "OF" at -193.761,-192.339 h1.2
  text ".PCB_SCALE" at -129.626,-192.337 h1.5
  text "DOC-104 REV A" at 207,-194.041 h0.55
  text "16" at -192.287,-195.185 h1.2
  text "15" at -162.287,-195.185 h1.2
  text "14" at -137.287,-195.185 h1.2
  text "13" at -112.287,-195.185 h1.2
  text "12" at -87.287,-195.185 h1.2
  text "11" at -62.287,-195.185 h1.2
  text "10" at -37.287,-195.185 h1.2
  text "9" at -12.287,-195.185 h1.2
  text "8" at 16.713,-195.185 h1.2
  text "7" at 43.713,-195.185 h1.2
  text "6" at 68.713,-195.185 h1.2
  text "5" at 93.713,-195.185 h1.2
  text "4" at 118.713,-195.185 h1.2
  text "3" at 143.713,-195.185 h1.2
  text "2" at 168.713,-195.185 h1.2
  text "1" at 195.713,-195.185 h1.2
Drawing3:
  lines w0.15: -52.5,-48 -52.5,0 -18,0 18,0 52.5,0 ; -35.255,-38.75 -35.25,-38.75 ; -35.25,-40.75 -35.25,0 ; -18,-13 0,-13 0,0 ; -18,13 0,13 ; -18,16 18,16 18,16.088 ; 0,-20 0,0 ; 0,20 0,0 ; 35.25,-40.75 35.25,0

## Dimensions
56,20 to 52.5,-44 on Drawing
-73.5,-23 to 73.5,0 on Drawing

## Text inside footprints (layer, text, board x,y; h text height)
"J3_ xx:xM_Hx:xx": Bottom Overlay "0" at -48.7,10.6 h1.35; Bottom Overlay "7" at -58.5,9.4 h1.35; Bottom Overlay "9" at -61.9,5.8 h1.35; Bottom Overlay "8" at -63.2,-3.9 h1.35; Bottom Overlay "6" at -61.9,-7.7 h1.35; Bottom Overlay "4" at -59.9,-9.9 h1.35; Bottom Overlay "1" at -57.8,-12.1 h2; Bottom Overlay "A" at -63.6,1.9 h2; Bottom Overlay "2" at -44.3,8.4 h1.35; Bottom Overlay "3" at -40.3,-0.4 h1.35; Bottom Overlay "5" at -41.1,-5.2 h1.35; Bottom Overlay "1" at -48.4,-11.9 h1.35; Note Bottom "1" at -59.394,-8.253 h1.5 r148; Assembly Bottom "1" at -59.394,-8.253 h1.5 r148
"J3_ xx:xM_xH:xx": Bottom Overlay "1" at -13.9,-11.9 h1.35; Bottom Overlay "5" at -6.6,-5.2 h1.35; Bottom Overlay "3" at -5.8,-0.4 h1.35; Bottom Overlay "2" at -9.8,8.4 h1.35; Bottom Overlay "A" at -29.1,1.9 h2; Bottom Overlay "1" at -23.3,-12.1 h2; Bottom Overlay "4" at -25.4,-9.9 h1.35; Bottom Overlay "6" at -27.4,-7.7 h1.35; Bottom Overlay "8" at -28.7,-3.9 h1.35; Bottom Overlay "9" at -27.4,5.8 h1.35; Bottom Overlay "7" at -24,9.4 h1.35; Bottom Overlay "0" at -14.2,10.6 h1.35; Note Bottom "1" at -24.894,-8.253 h1.5 r148; Assembly Bottom "1" at -24.894,-8.253 h1.5 r148
"J3_ xx:xM_xx:Mx": Bottom Overlay "0" at 21.8,10.6 h1.35; Bottom Overlay "7" at 12,9.4 h1.35; Bottom Overlay "9" at 8.6,5.8 h1.35; Bottom Overlay "8" at 7.3,-3.9 h1.35; Bottom Overlay "6" at 8.6,-7.7 h1.35; Bottom Overlay "4" at 10.6,-9.9 h1.35; Bottom Overlay "1" at 12.7,-12.1 h2; Bottom Overlay "A" at 6.9,1.9 h2; Bottom Overlay "2" at 26.2,8.4 h1.35; Bottom Overlay "3" at 30.2,-0.4 h1.35; Bottom Overlay "5" at 29.4,-5.2 h1.35; Bottom Overlay "1" at 22.1,-11.9 h1.35; Note Bottom "1" at 11.106,-8.253 h1.5 r148; Assembly Bottom "1" at 11.106,-8.253 h1.5 r148
"J3_ xx:xM_xx:xM": Bottom Overlay "0" at 56.284,10.614 h1.35; Bottom Overlay "7" at 46.484,9.414 h1.35; Bottom Overlay "9" at 43.084,5.814 h1.35; Bottom Overlay "8" at 41.784,-3.886 h1.35; Bottom Overlay "6" at 43.084,-7.686 h1.35; Bottom Overlay "4" at 45.084,-9.886 h1.35; Bottom Overlay "1" at 47.184,-12.086 h2; Bottom Overlay "A" at 41.384,1.914 h2; Bottom Overlay "2" at 60.684,8.414 h1.35; Bottom Overlay "3" at 64.684,-0.386 h1.35; Bottom Overlay "5" at 63.884,-5.186 h1.35; Bottom Overlay "1" at 56.584,-11.886 h1.35; Note Bottom "1" at 45.59,-8.239 h1.5 r148; Assembly Bottom "1" at 45.59,-8.239 h1.5 r148
P1: Top Overlay "2" at -48,-40.5 h1.5; Top Overlay "1" at -48,-37 h1.5; Top Overlay "6" at -57.672,-40.512 h1.5; Top Overlay "5" at -57.672,-37.972 h1.5; Note Top "1" at -49.9,-37.15 h0.8 r180; Assembly Top "1" at -49.9,-37.15 h0.8 r180
P2: Top Overlay "2" at 4.5,-40.5 h1.5; Top Overlay "1" at 4.5,-37.5 h1.5; Top Overlay "6" at -5.172,-40.512 h1.5; Top Overlay "5" at -5.172,-37.972 h1.5; Note Top "1" at 2.6,-37.15 h0.8 r180; Assembly Top "1" at 2.6,-37.15 h0.8 r180
P3: Top Overlay "5" at 47.328,-37.472 h1.5; Top Overlay "6" at 47.328,-40.012 h1.5; Top Overlay "1" at 57.05,-37.45 h1.5; Top Overlay "2" at 57.25,-40.25 h1.5; Note Top "1" at 55.1,-37.15 h0.8 r180; Assembly Top "1" at 55.1,-37.15 h0.8 r180
Q1: Note Top "1" at -61.5,-33.75 h0.8 r180; Assembly Top "1" at -61.5,-33.75 h0.8 r180
Q2: Note Top "1" at -61.5,-37.25 h0.8 r180; Assembly Top "1" at -61.5,-37.25 h0.8 r180
U1: Bottom Overlay "1" at -32.5,-10.5 h1.2 r270; Note Bottom "k" at -34.45,-12.2 h1 r270; Assembly Bottom "k" at -36.75,-12.2 h1 r270
U2: Bottom Overlay "1" at -3,-15.5 h1.2 r90; Note Bottom "k" at -0.8,-13.8 h1 r90; Assembly Bottom "k" at 1.5,-13.8 h1 r90
U3: Bottom Overlay "1" at -2.5,15.5 h1.2; Note Bottom "k" at -0.8,13.8 h1; Assembly Bottom "k" at -0.8,11.5 h1
U4: Bottom Overlay "1" at 38,-10.5 h1.2 r270; Note Bottom "k" at 36.05,-12.2 h1 r270; Assembly Bottom "k" at 33.75,-12.2 h1 r270
U5: Note Top "1" at -32.7,-33.3 h1 r270
U6: Note Top "1" at 41.05,-33.3 h1 r270
U7: Note Bottom "1" at 6.17,-32.816 h0.8 r270; Assembly Bottom "1" at 6.17,-32.816 h0.8 r270
U8: Note Top "1" at -61,-29.17 h0.8 r90; Assembly Top "1" at -61,-29.17 h0.8 r90
U9: Note Bottom "1" at -53.1,-4.643 h0.25 r90; Assembly Bottom "1" at -53.1,-4.643 h0.25 r90
U10: Note Bottom "1" at -56.27,2.87 h0.25 r330; Assembly Bottom "1" at -56.27,2.87 h0.25 r330
U11: Note Bottom "1" at -48.098,1.763 h0.25 r210; Assembly Bottom "1" at -48.098,1.763 h0.25 r210
U12: Note Top "1" at -29.5,-29.081 h0.8 r90; Assembly Top "1" at -29.5,-29.081 h0.8 r90
U13: Note Bottom "1" at -18.6,-4.643 h0.25 r90; Assembly Bottom "1" at -18.6,-4.643 h0.25 r90
U14: Note Bottom "1" at -21.77,2.87 h0.25 r330; Assembly Bottom "1" at -21.77,2.87 h0.25 r330
U15: Note Bottom "1" at -13.598,1.763 h0.25 r210; Assembly Bottom "1" at -13.598,1.763 h0.25 r210
U16: Note Top "1" at 12.5,-29.17 h0.8 r90; Assembly Top "1" at 12.5,-29.17 h0.8 r90
U17: Note Bottom "1" at 17.4,-4.643 h0.25 r90; Assembly Bottom "1" at 17.4,-4.643 h0.25 r90
U18: Note Bottom "1" at 14.23,2.87 h0.25 r330; Assembly Bottom "1" at 14.23,2.87 h0.25 r330
U19: Note Bottom "1" at 22.402,1.763 h0.25 r210; Assembly Bottom "1" at 22.402,1.763 h0.25 r210
U20: Note Top "1" at 44,-29.17 h0.8 r90; Assembly Top "1" at 44,-29.17 h0.8 r90
U21: Note Bottom "1" at 51.9,-4.643 h0.25 r90; Assembly Bottom "1" at 51.9,-4.643 h0.25 r90
U22: Note Bottom "1" at 48.73,2.87 h0.25 r330; Assembly Bottom "1" at 48.73,2.87 h0.25 r330
U23: Note Bottom "1" at 56.902,1.763 h0.25 r210; Assembly Bottom "1" at 56.902,1.763 h0.25 r210